# Altium PCB higgs.PcbDoc (part 12 of 25)
Units mm, origin at the board's own origin, x right, y up, seen from the top; angles counter-clockwise.
Board outline 160 x 160 mm, 15 copper layers (TOP, P1(GND), S1(V), P2(GND), S2(H), P3(GND), S3(V12/V2V5), S4(VDDR), P4(GND), S5(V), P5(GND), S6(H), P6(GND), P1(GND) (Plane1), BOT), stack 3.262 mm thick; 1283 components, 2419 nets, 11066 pads, 5487 vias.
Unrouted connection lines stored in the file: 239.
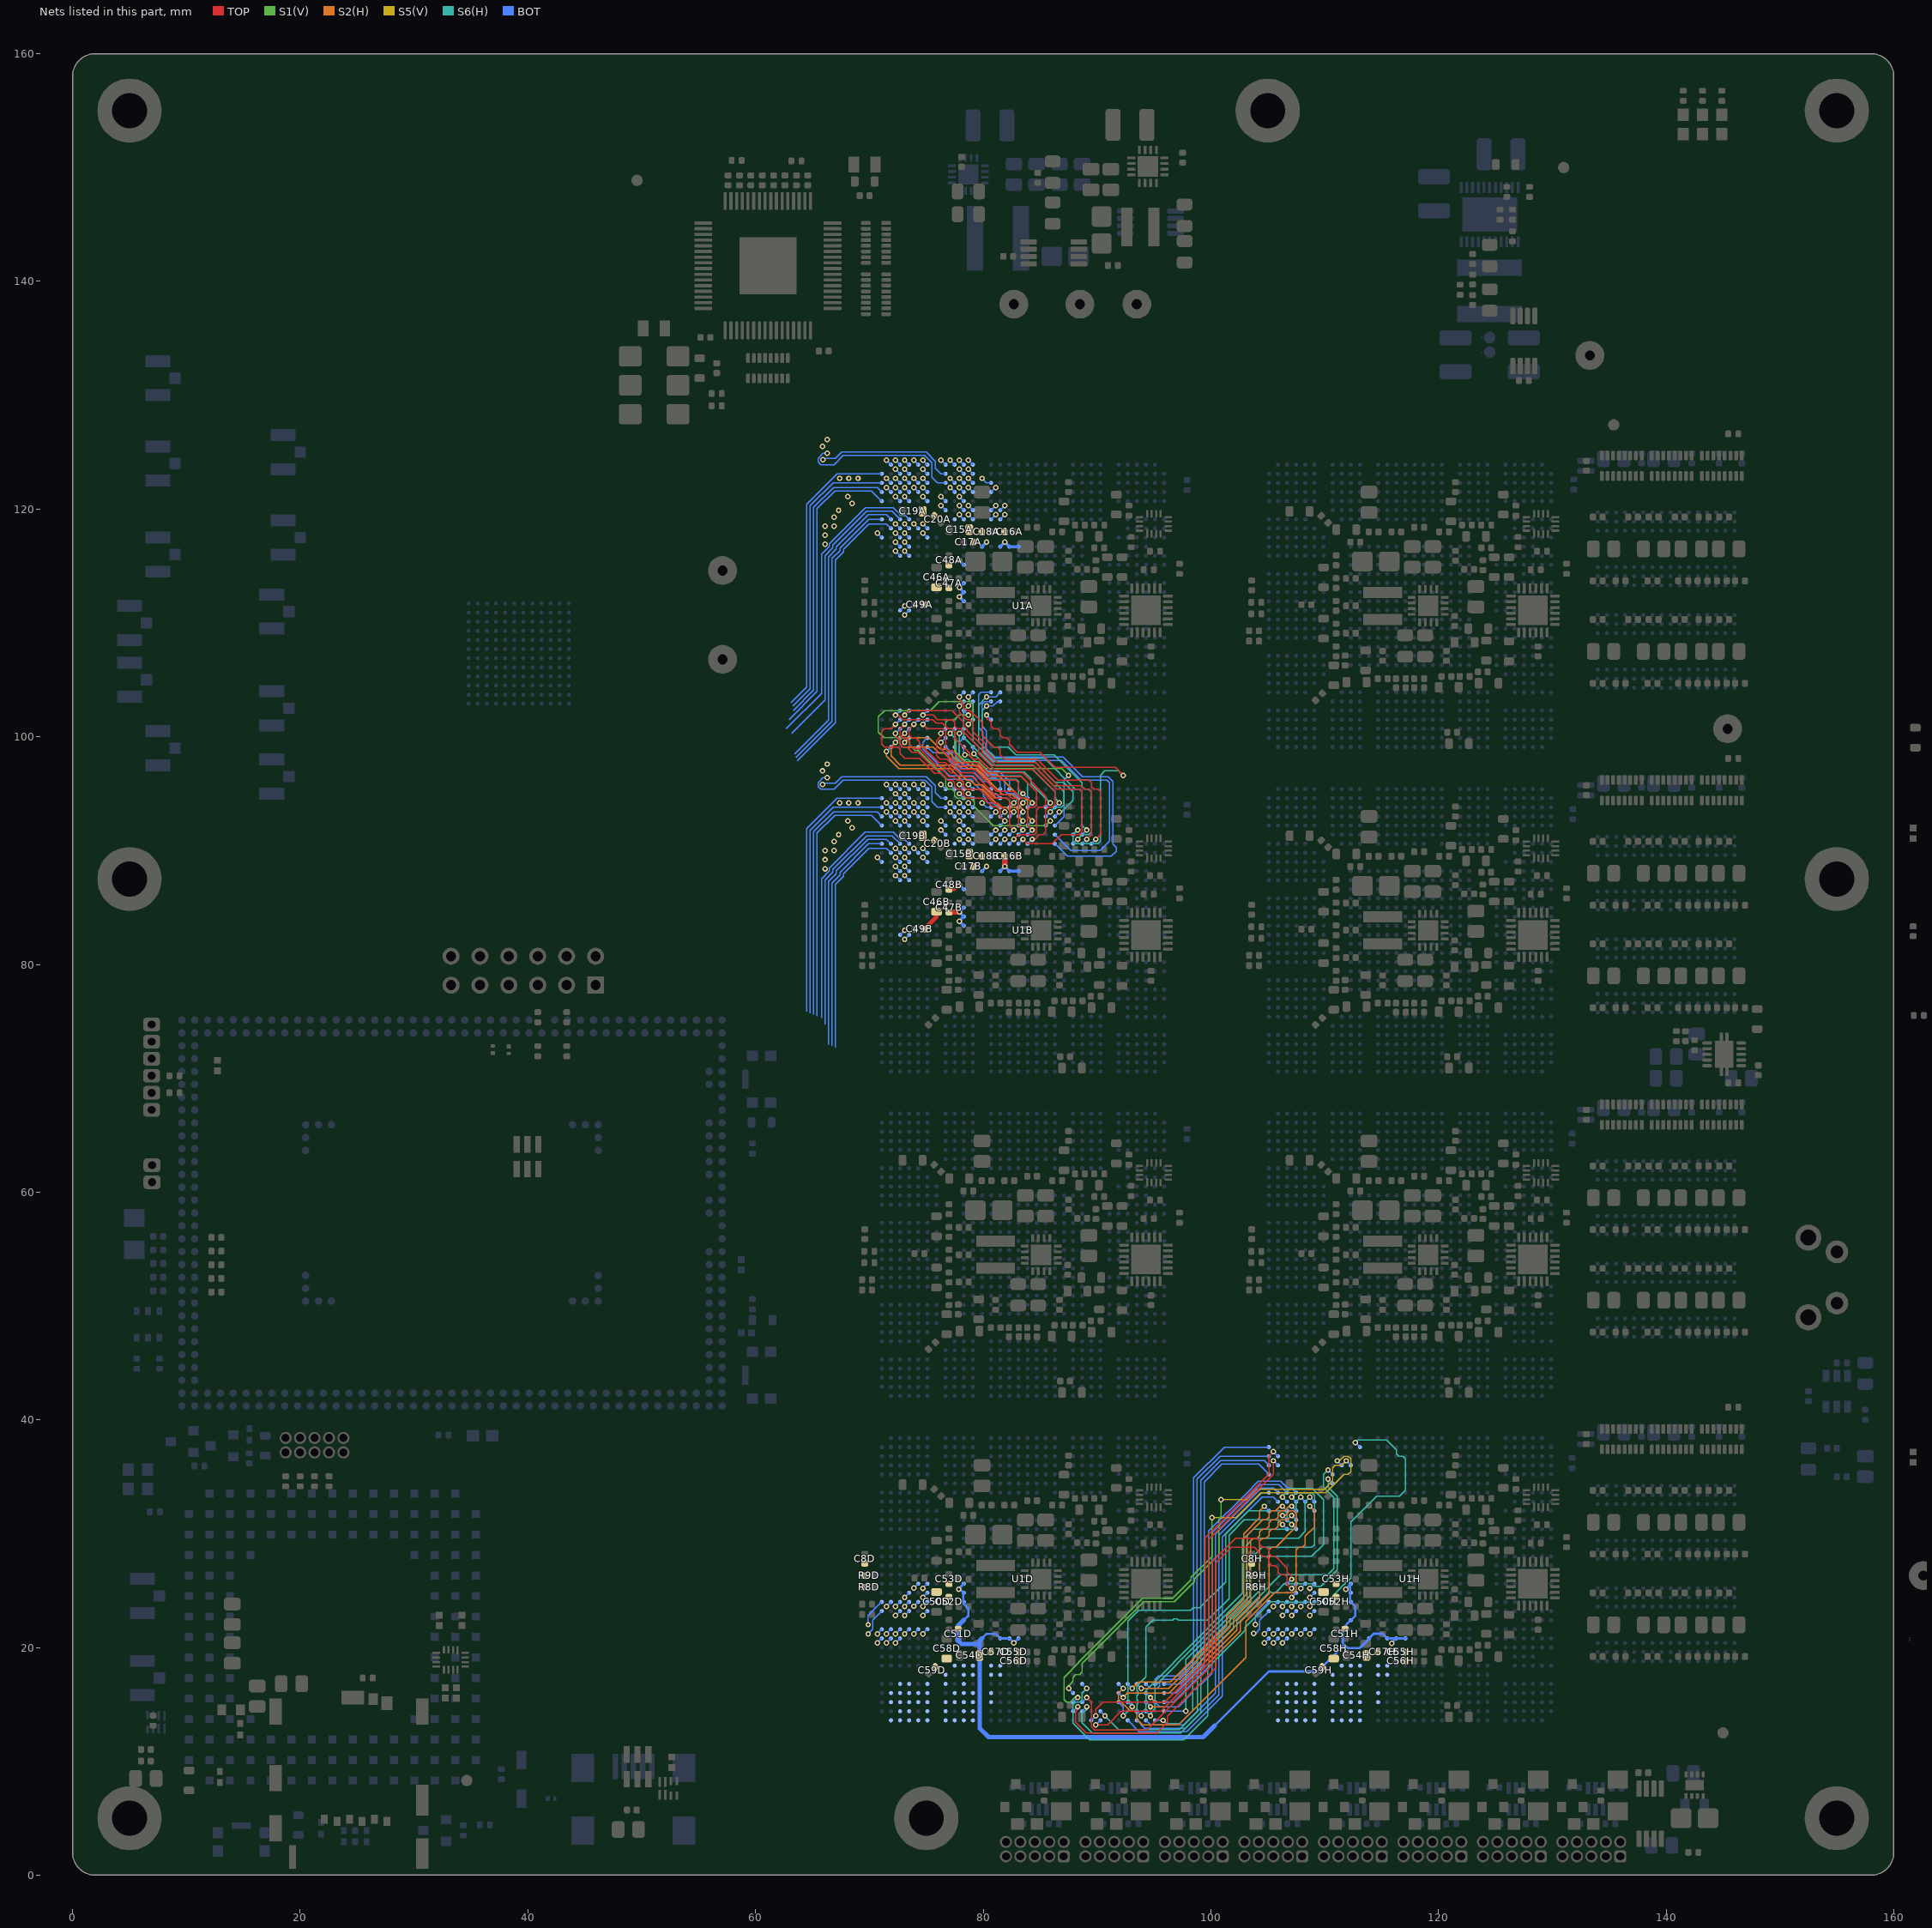
[diagram p25: the nets of this part, all layers, seen from the top]

## Via types
v1: diameter 0.483, hole 0.254, TOP to BOT, tented both sides, 5146 vias
v2: diameter 0.457, hole 0.254, TOP to BOT, tented both sides, 278 vias
v3: diameter 0.5, hole 0.25, TOP to BOT, 50 vias
v4: diameter 0.483/0/0/0/0.483/0/0/0.483 (per signal layer), hole 0.254, TOP to BOT, tented both sides, 7 vias
v5: diameter 0.483, hole 0.254, TOP to BOT, tented bottom, 5 vias
v6: diameter 0.483, hole 0.254, TOP to BOT, 1 vias

## Nets (pads, with @x,y where several pads share a name; then routed paths per layer and width w, separated by ;. In a path a pad name is that pad's centre, name@x,y a point inside that pad or via, vN(x,y) a via of type N, cw(c..) or ccw(c..) an arc to the next point about the centre after c; other vN are vias at no path point) (continued)
IL07_33.LR.G3.D2_P: U1D.AC28 U1H.L2 | length 57.5
  S6(H) w0.102: v1(89.106,16.401) 89.101,16.401 88.7,16 88.7,15.4 88.499,15.199 88.135,15.199 87.901,14.965 87.901,13.342 89.356,11.887 97.611,11.887 99.73,14.006 99.73,18.205 103.013,21.488 103.013,21.763 105.251,24.001 106.375,24.001 ; 106.375,23.999 106.465,23.999 106.514,23.95 106.886,23.95 106.935,23.999 110.199,23.999 111.451,25.251 111.451,25.29 111.685,25.524 111.724,25.524 112.3,26.1 112.3,31.036 114.559,33.294 116.559,33.294 117.099,33.835 117.099,33.899 117.1,33.9 ; v1(112.7,38) 112.91,38.21 115.454,38.21 116.299,37.365 116.299,37.036 116.536,36.799 116.865,36.799 117.099,36.565 117.099,33.901
  BOT w0.102: U1D.AC28@88.7,16.8 89.099,16.401 v1(89.106,16.401) ; v1(112.7,38) U1H.L2@113.1,37.6
IL07_33.LR.G3.D3_N: U1D.AB29 U1H.K4 | length 38.1
  S1(V) w0.102: v1(87.506,16.401) 87.506,16.629 87.5,16.636 87.899,17.035 87.899,17.364 88.135,17.599 88.298,17.599 88.3,17.601 88.465,17.601 88.699,17.835 88.699,17.999 88.701,18.001 88.701,18.596 94.109,24.005 96.774,24.005 98.576,25.807 98.576,26.031 100.695,28.15 100.695,31.295 100.9,31.5 v1(100.9,33)
  S5(V) w0.102: v1(100.9,33) 103.196,33 104.1,33.904 109.968,33.904 110.701,34.636 110.701,35.765 110.935,35.999 111.499,35.999 v1(111.9,36.4)
  BOT w0.102: v1(87.506,16.401) 87.506,16.394 U1D.AB29@87.9,16 ; v1(111.9,36.4) U1H.K4@112.3,36
IL07_33.LR.G3.D3_P: U1D.AB30 U1H.J4 | length 42
  S1(V) w0.102: v1(88.3,15.6) 88.064,15.6 87.665,15.201 87.335,15.201 87.099,15.436 87.099,16.229 87.105,16.235 87.105,16.566 87.099,16.572 87.099,17.364 88.396,18.661 88.396,18.723 93.983,24.31 96.648,24.31 98.271,25.933 98.271,26.158 100.1,27.986 v1(100.1,31.4)
  S5(V) w0.102: v1(100.1,31.4) 102.201,31.4 104.4,33.599 110.095,33.599 111.696,35.201 112.065,35.201 112.299,35.435 112.299,35.765 112.299,36.565 112.064,36.8 111.695,36.8 111.295,36.4 v1(111.1,36.4)
  BOT w0.102: U1D.AB30@87.9,15.2 v1(88.3,15.6) ; v1(111.1,36.4) U1H.J4@111.5,36
IL07_33.LR.G3.D4_N: U1D.AE31 U1H.H5 | length 39.5
  S6(H) w0.102: v1(90.7,14) 91.899,12.801 97.232,12.801 98.816,14.384 98.816,19.067 105.101,25.353 105.101,25.365 106.136,26.401 110.276,26.401 110.795,26.92 110.795,33.173 109.901,34.067 109.901,35.201 v1(110.3,35.6)
  BOT w0.102: U1D.AE31@90.3,14.4 v1(90.7,14) ; v1(110.3,35.6) U1H.H5@110.7,35.2
IL07_33.LR.G3.D4_P: U1D.AC31 U1H.H6 | length 42.7
  S6(H) w0.102: v1(89.1,14.8) 89.1,14.564 88.701,14.165 88.701,13.404 89.608,12.496 97.358,12.496 99.12,14.258 99.12,18.845 105.205,24.93 105.335,24.801 105.665,24.801 105.899,25.035 105.899,25.049 106.45,25.6 108.873,25.6 109.098,25.375 109.681,25.375 111.1,26.794 111.1,33.299 110.3,34.099 v1(110.3,34.8)
  BOT w0.102: U1D.AC31@88.7,14.4 v1(89.1,14.8) ; v1(110.3,34.8) U1H.H6@110.7,34.4
IL07_33.LR.G3.S_N: U1D.AB31 U1H.D17 | length 36.7
  TOP w0.102: v1(88.3,14.8) 88.3,14.541 88.115,14.356 88.115,13.444 89.059,12.5 89.605,12.5 89.659,12.445 95.21,12.445 96.199,13.435 96.199,13.968 100.4,18.169 100.4,27.4 101.8,28.8 103.829,28.8 104.301,28.328 104.301,28.235 104.535,28.001 104.864,28.001 105.101,27.764 105.101,27.435 105.335,27.201 105.664,27.201 105.901,26.964 105.901,26.635 106.135,26.401 106.499,26.401 106.7,26.2 106.7,25.55 v1@107.05,25.2
  BOT w0.102: U1D.AB31@87.9,14.4 v1(88.3,14.8) ; v1(107.1,25.2) U1H.D17@107.5,25.6
IL07_33.LR.G3.S_P: U1D.AC30 U1H.C17 | length 36.1
  TOP w0.102: v1(89.1,15.6) 89.499,15.201 89.499,13.036 89.786,12.75 94.386,12.75 100.095,18.46 100.095,27.526 102.168,29.599 104.065,29.599 104.301,29.364 104.301,29.035 104.536,28.799 104.865,28.799 105.101,28.564 105.101,28.235 105.336,27.999 105.665,27.999 106.701,26.964 106.701,26.635 107.1,26.236 v1(107.1,26)
  BOT w0.102: U1D.AC30@88.7,15.2 v1(89.1,15.6) ; U1H.C17@106.7,25.6 v1(107.1,26)
IL07_33.TB.G8.D0_N: U1D.AG29 U1H.D9 | length 27.1
  S2(H) w0.102: v1(92.3,15.6) 92.699,15.999 96.323,15.999 101.981,21.657 101.981,22.481 103.501,24.001 103.501,29.365 103.735,29.599 104.064,29.599 104.301,29.836 104.301,30.165 104.535,30.399 104.864,30.399 105.099,30.635 105.099,30.964 105.335,31.199 105.599,31.199 105.601,31.201 105.665,31.201 105.9,31.436 105.9,31.764 106.135,31.999 106.464,31.999 106.864,32.4 v1(107.1,32.4)
  BOT w0.102: U1D.AG29@91.9,16 v1(92.3,15.6) ; v1(107.1,32.4) U1H.D9@107.5,32
IL07_33.TB.G8.D0_P: U1D.AG28 U1H.F9 | length 34.2
  S2(H) w0.102: v1(92.3,16.4) 91.901,16.001 91.901,15.435 92.936,14.399 93.265,14.399 93.501,14.164 93.501,13.699 93.999,13.201 97.165,13.201 103.082,19.118 103.082,22.289 105.592,24.799 107.264,24.799 107.499,25.035 107.499,26.635 107.501,26.636 107.501,28.565 107.735,28.799 108.064,28.799 108.301,29.036 108.301,29.774 109.099,30.573 109.099,32.001 v1(108.7,32.4)
  BOT w0.102: U1D.AG28@91.9,16.8 v1(92.3,16.4) ; v1(108.7,32.4) U1H.F9@109.1,32
IL07_33.TB.G8.D1_N: U1D.AH28 U1H.A9 | length 23.6
  S2(H) w0.102: v1(93.1,16.4) 93.69,16.99 96.452,16.99 101.371,21.909 101.371,22.733 102.891,24.253 102.891,29.987 104.3,31.395 104.3,32 v1(104.7,32.4)
  BOT w0.102: U1D.AH28@92.7,16.8 v1(93.1,16.4) ; v1(104.7,32.4) U1H.A9@105.1,32
IL07_33.TB.G8.D1_P: U1D.AJ28 U1H.C9 | length 24.2
  S2(H) w0.102: v1(93.9,16.4) 96.293,16.4 101.676,21.783 101.676,22.607 103.196,24.127 103.196,29.861 104.535,31.199 104.864,31.199 105.099,31.435 105.099,31.764 105.335,31.999 105.581,31.999 ; 105.582,32 105.664,32 106.064,32.4 v1(106.3,32.4)
  BOT w0.102: U1D.AJ28@93.5,16.8 v1(93.9,16.4) ; v1(106.3,32.4) U1H.C9@106.7,32
IL07_33.TB.G8.D2_N: U1D.AG30 U1H.C11 | length 30.5
  S6(H) w0.102: v1(92.3,14) 92.701,14.401 93.265,14.401 93.499,14.635 93.499,14.964 93.595,15.06 93.595,15.34 93.501,15.435 93.501,15.765 93.625,15.889 93.625,16.111 93.501,16.235 93.501,16.565 93.625,16.689 93.625,16.75 94.3,17.425 94.3,21.8 94.9,22.4 96.636,22.4 96.735,22.499 97.065,22.499 97.164,22.4 99.7,22.4 101.6,24.3 101.6,29.864 102.936,31.2 105.9,31.2 v1(106.3,30.8)
  BOT w0.102: U1D.AG30@91.9,15.2 92.3,14.8 v1(92.3,14) ; v1(106.3,30.8) U1H.C11@106.7,30.4
IL07_33.TB.G8.D2_P: U1D.AH30 U1H.D11 | length 30.6
  S6(H) w0.102: v1(93.1,14.8) 93.1,15.036 92.701,15.435 92.701,22.326 93.657,23.282 98.231,23.282 98.449,23.5 99.025,23.5 ; 99.075,23.5 99.025,23.5 ; 104.699,31.999 103.304,31.999 101.295,29.991 101.295,25.77 99.025,23.5 ; 104.7,32 106.464,32 106.699,31.765 106.699,31.201 v1(107.1,30.8)
  BOT w0.102: U1D.AH30@92.7,15.2 v1(93.1,14.8) ; v1(107.1,30.8) U1H.D11@107.5,30.4
IL07_33.TB.G8.D3_N: U1D.AK30 U1H.C10 | length 25.8
  S2(H) w0.102: v1(94.7,14.8) 95.986,14.8 102.59,21.404 102.59,22.228 105.101,24.739 105.101,28.565 105.335,28.799 105.704,28.799 107.499,30.595 107.499,30.799 ; v1(106.3,31.6) 106.536,31.6 106.935,31.999 107.265,31.999 107.5,31.764 107.5,30.8
  BOT w0.102: U1D.AK30@94.3,15.2 v1(94.7,14.8) ; v1(106.3,31.6) U1H.C10@106.7,31.2
IL07_33.TB.G8.D3_P: U1D.AK29 U1H.D10 | length 24.3
  S2(H) w0.102: v1(94.7,15.6) 95.099,15.201 95.956,15.201 102.286,21.53 102.286,22.355 104.301,24.37 104.301,29.365 104.535,29.599 104.864,29.599 105.099,29.835 105.099,29.899 105.101,29.901 105.101,30.165 105.335,30.399 105.664,30.399 105.899,30.635 105.899,30.799 105.901,30.801 105.901,30.965 106.135,31.199 106.701,31.199 107.1,31.598 v1(107.1,31.6)
  BOT w0.102: U1D.AK29@94.3,16 v1(94.7,15.6) ; v1(107.1,31.6) U1H.D10@107.5,31.2
IL07_33.TB.G13.C_N: U1D.AE32 U1H.B4 | length 33.4
  TOP w0.102: v1(89.9,13.2) 90.936,13.2 92.135,14.399 92.199,14.399 92.2,14.4 95.605,14.4 99.79,18.586 99.79,29.49 105.5,35.2 v1(105.5,36.4)
  BOT w0.102: v1(89.9,13.2) U1D.AE32@90.3,13.6 ; v1(105.5,36.4) U1H.B4@105.9,36
IL07_33.TB.G13.C_P: U1D.AD32 U1H.B3 | length 34
  TOP w0.102: v1(89.9,14) 89.9,14.564 90.535,15.199 95.973,15.199 99.486,18.712 99.486,29.617 105.101,35.232 105.101,36.801 v1(105.5,37.2)
  BOT w0.102: U1D.AD32@89.5,13.6 v1(89.9,14) ; v1(105.5,37.2) U1H.B3@105.9,36.8
IL07_33.TB.G13.D0_N: U1D.AK28 U1H.A3 | length 29
  BOT w0.102: U1D.AK28@94.3,16.8 94.7,16.4 95.266,16.4 95.5,16.634 95.5,17 95.7,17.2 97.276,17.2 98.805,18.729 98.805,34.791 100.814,36.8 U1H.A3@105.1,36.8
IL07_33.TB.G13.D0_P: U1D.AL28 U1H.A2 | length 28.3
  BOT w0.102: U1D.AL28@95.1,16.8 95.1,17.2 95.405,17.505 97.149,17.505 98.5,18.855 98.5,34.917 101.183,37.6 U1H.A2@105.1,37.6
IL07_33.TB.G13.D1_N: U1D.AM29 U1H.A5 | length 27.3
  BOT w0.102: U1D.AM29@95.9,16 96.938,16 99.414,18.477 99.414,34.539 100.976,36.1 104.2,36.1 U1H.A5@105.1,35.2
IL07_33.TB.G13.D1_P: U1D.AM28 U1H.A4 | length 26.9
  BOT w0.102: U1D.AM28@95.9,16.8 97.307,16.8 99.11,18.603 99.11,34.665 100.85,36.405 104.695,36.405 U1H.A4@105.1,36
IL07_33.TB.G13.D2_N: U1D.AL30 U1H.C7 | length 27.5
  BOT w0.102: U1D.AL30@95.1,15.2 95.5,14.8 95.9,14.8 97.162,14.8 98.301,15.939 98.301,16.04 98.535,16.274 98.636,16.274 98.826,16.464 98.826,16.565 99.06,16.799 99.161,16.799 100.105,17.743 100.105,30.093 103.23,33.218 104.316,34.305 105.995,34.305 U1H.C7@106.7,33.6
IL07_33.TB.G13.D2_P: U1D.AM30 U1H.D7 | length 27
  BOT w0.102: U1D.AM30@95.9,15.2 96.7,15.2 99.8,18.3 99.8,30.22 103.103,33.523 104.19,34.609 106.122,34.609 106.731,34 107.1,34 U1H.D7@107.5,33.6
IL07_33.TB.G13.D3_N: U1D.AJ32 U1H.A7 | length 28.7
  BOT w0.102: U1D.AJ32@93.5,13.6 94.205,12.895 97.757,12.895 100.714,15.852 100.714,29.841 103.482,32.609 104.473,33.6 U1H.A7@105.1,33.6
IL07_33.TB.G13.D3_P: U1D.AK32 U1H.B7 | length 28.7
  BOT w0.102: U1D.AK32@94.3,13.6 94.7,13.2 97.631,13.2 100.41,15.979 100.41,29.967 103.356,32.914 104.442,34 105.5,34 U1H.B7@105.9,33.6
IL07_33.TB.G13.D4_N: U1D.AJ31 U1H.E8 | length 28.3
  S6(H) w0.102: v1@93.95,13.85 93.95,14.286 94.299,14.635 94.299,16.235 96.699,18.635 96.699,18.675 102.799,24.775 102.799,29.464 103.735,30.399 103.799,30.399 ; 103.8,30.4 106.3,30.4 ; 106.301,30.401 107.265,30.401 107.499,30.635 107.499,30.799 107.501,30.801 107.501,32.801 v1(107.9,33.2)
  BOT w0.102: U1D.AJ31@93.5,14.4 v1(93.9,14) ; v1(107.9,33.2) U1H.E8@108.3,32.8
IL07_33.TB.G13.D4_P: U1D.AK31 U1H.F8 | length 28.5
  S6(H) w0.102: v1(94.7,14) 94.7,14.236 95.099,14.635 95.099,15.725 ; 95.101,15.725 95.101,16.605 97.05,18.555 97.05,18.595 103.104,24.649 103.104,28.968 103.735,29.599 107.699,29.599 108.301,30.201 108.301,32.801 v1(108.7,33.2)
  BOT w0.102: U1D.AK31@94.3,14.4 v1(94.7,14) ; v1(108.7,33.2) U1H.F8@109.1,32.8
IL07_33.TB.G13.D5_N: U1D.AL32 U1H.C8 | length 34.7
  S6(H) w0.102: v1(95.8,13.6) 96.099,13.301 97.265,13.301 98.4,14.436 98.4,19.083 104.3,24.983 104.3,27.65 ; 104.301,27.65 104.301,27.765 104.535,27.999 108.864,27.999 109.9,29.036 109.9,32.2 ; v1(106.3,33.2) 106.3,33.3 106.982,33.982 108.914,33.982 109.899,32.996 109.899,32.201
  BOT w0.102: U1D.AL32@95.1,13.6 v1(95.8,13.6) ; v1(106.3,33.2) U1H.C8@106.7,32.8
IL07_33.TB.G13.D5_P: U1D.AM31 U1H.D8 | length 30.9
  S6(H) w0.102: v1(97.8,14.4) 97.8,18.914 103.409,24.523 103.409,27.709 104.5,28.8 108.864,28.8 109.1,29.036 109.1,33.364 108.865,33.599 107.801,33.599 107.8,33.6 107.5,33.6 v1(107.1,33.2)
  BOT w0.102: U1D.AM31@95.9,14.4 v1(97.8,14.4) ; v1(107.1,33.2) U1H.D8@107.5,32.8
IL07_33.TB.G13.D6: U1D.AH32 U1H.B8 | length 30.5
  BOT w0.102: U1D.AH32@92.7,13.6 93.71,12.59 97.884,12.59 101.019,15.726 101.019,29.715 103.608,32.304 104.505,33.2 105.5,33.2 U1H.B8@105.9,32.8
IL07_FPGA20.LR.G0.D0_N: U1A.D5 | length 0.6
  BOT w0.102: v1(73.1,121.1) U1A.D5@73.5,120.7
IL07_FPGA20.LR.G0.D0_P: U1A.C5 | length 0.6
  BOT w0.102: v1(72.3,121.1) U1A.C5@72.7,120.7
IL07_FPGA20.LR.G0.D1_N: U1A.C3 | length 0.6
  BOT w0.102: v1(72.3,122.7) U1A.C3@72.7,122.3
IL07_FPGA20.LR.G0.D1_P: U1A.C4 | length 0.6
  BOT w0.102: v1(72.3,121.9) U1A.C4@72.7,121.5
IL07_FPGA20.LR.G0.D2_N: U1A.E4 | length 0.6
  BOT w0.102: v1(73.9,121.9) U1A.E4@74.3,121.5
IL07_FPGA20.LR.G0.D2_P: U1A.D4 | length 0.6
  BOT w0.102: v1(73.1,121.9) U1A.D4@73.5,121.5
IL07_FPGA20.LR.G0.D3_N: U1A.F5 | length 0.6
  BOT w0.102: v1(74.7,121.1) U1A.F5@75.1,120.7
IL07_FPGA20.LR.G0.D3_P: U1A.F4 | length 0.6
  BOT w0.102: v1(74.7,121.9) U1A.F4@75.1,121.5
IL07_FPGA20.LR.G0.D4_N: U1A.D2 | length 0.6
  BOT w0.102: v1(73.1,123.5) U1A.D2@73.5,123.1
  other v1: 67.4,122.7
IL07_FPGA20.LR.G0.D4_P: U1A.D3 | length 0.6
  BOT w0.102: v1(73.1,122.7) U1A.D3@73.5,122.3
IL07_FPGA20.LR.G0.S_N: U1A.C2 | length 0.6
  BOT w0.102: v1(72.3,123.5) U1A.C2@72.7,123.1
IL07_FPGA20.LR.G0.S_P: U1A.B1 | length 0.6
  BOT w0.102: v1(71.5,124.3) U1A.B1@71.9,123.9
IL07_FPGA20.LR.G1.D0_N: U1A.E1 | length 0.6
  BOT w0.102: v1(73.9,124.3) U1A.E1@74.3,123.9
IL07_FPGA20.LR.G1.D0_P: U1A.F2 | length 0.6
  BOT w0.102: v1(74.7,123.5) U1A.F2@75.1,123.1
IL07_FPGA20.LR.G1.D1_N: U1A.H1 | length 0.6
  BOT w0.102: v1(76.3,124.3) U1A.H1@76.7,123.9
IL07_FPGA20.LR.G1.D1_P: U1A.F1 | length 0.6
  BOT w0.102: v1(74.7,124.3) U1A.F1@75.1,123.9
IL07_FPGA20.LR.G1.D2_N: U1A.H3 | length 14.7
  BOT w0.102: v1(66.3,124.9) 65.936,124.9 65.501,124.465 65.501,124.135 65.735,123.901 66.901,123.901 67.699,124.699 74.865,124.699 74.932,124.632 ; 74.933,124.632 75.5,124.066 75.5,122.8 76,122.3 U1A.H3@76.7,122.3
IL07_FPGA20.LR.G1.D2_P: U1A.H2 | length 12.1
  BOT w0.102: v1@65.933,124.433 67.002,124.433 67.573,125.004 74.993,125.004 75.805,124.192 75.805,123.6 76.305,123.1 U1A.H2@76.7,123.1
  other v1: 65.925,124.325
IL07_FPGA20.LR.G1.D3_N: U1A.K3 | length 0.6
  BOT w0.102: v1(77.9,122.7) U1A.K3@78.3,122.3
  other v1: 66.1,117.7
IL07_FPGA20.LR.G1.D3_P: U1A.J3 | length 0.6
  BOT w0.102: v1(77.1,122.7) U1A.J3@77.5,122.3
  other v1: 66.9,119.3
IL07_FPGA20.LR.G1.D4_N: U1A.L1 | length 0.6
  BOT w0.102: v1(78.7,124.3) U1A.L1@79.1,123.9
  other v1: 66.3,126.1
IL07_FPGA20.LR.G1.D4_P: U1A.K1 | length 0.6
  BOT w0.102: v1(77.9,124.3) U1A.K1@78.3,123.9
  other v1: 65.9,125.5
IL07_FPGA20.LR.G1.S_N: U1A.J1 | length 0.6
  BOT w0.102: v1(77.1,124.3) U1A.J1@77.5,123.9
  other v1: 68.2,122.7
IL07_FPGA20.LR.G1.S_P: U1A.K2 | length 0.6
  BOT w0.102: v1(77.9,123.5) U1A.K2@78.3,123.1
  other v1: 69,122.7
IL07_FPGA20.LR.G2.D0_N: U1A.K7 | length 0.6
  BOT w0.102: v1(77.9,119.5) U1A.K7@78.3,119.1
IL07_FPGA20.LR.G2.D0_P: U1A.K6 | length 0.6
  BOT w0.102: v1(77.9,120.3) U1A.K6@78.3,119.9
IL07_FPGA20.LR.G2.D1_N: U1A.L4 | length 0.6
  BOT w0.102: v1(78.7,121.9) U1A.L4@79.1,121.5
IL07_FPGA20.LR.G2.D1_P: U1A.K5 | length 0.6
  BOT w0.102: v1(77.9,121.1) U1A.K5@78.3,120.7
IL07_FPGA20.LR.G2.D2_N: U1A.N7 | length 0.6
  BOT w0.102: U1A.N7@80.7,119.1 v1(81.1,119.5)
IL07_FPGA20.LR.G2.D2_P: U1A.N6 | length 0.6
  BOT w0.102: U1A.N6@80.7,119.9 v1(81.1,120.3)
IL07_FPGA20.LR.G2.D3_N: U1A.P7 | length 0.6
  BOT w0.102: U1A.P7@81.5,119.1 v1(81.9,119.5)
IL07_FPGA20.LR.G2.D3_P: U1A.P6 | length 0.6
  BOT w0.102: U1A.P6@81.5,119.9 v1(81.9,120.3)
IL07_FPGA20.LR.G2.D4_N: U1A.L6 | length 0.6
  BOT w0.102: v1(78.7,120.3) U1A.L6@79.1,119.9
IL07_FPGA20.LR.G2.D4_P: U1A.L7 | length 0.6
  BOT w0.102: v1(78.7,119.5) U1A.L7@79.1,119.1
IL07_FPGA20.LR.G2.S_N: U1A.N4 | length 0.6
  BOT w0.102: U1A.N4@80.7,121.5 v1(81.1,121.9)
IL07_FPGA20.LR.G2.S_P: U1A.N3 | length 1
  BOT w0.102: v1(79.9,122.7) 80.3,122.3 U1A.N3@80.7,122.3
IL07_FPGA20.LR.G3.D0_N: U1A.E3 | length 0.6
  BOT w0.102: v1(73.9,122.7) U1A.E3@74.3,122.3
  other v1: 68.099,121.1
IL07_FPGA20.LR.G3.D0_P: U1A.F3 | length 0.6
  BOT w0.102: v1(74.7,122.7) U1A.F3@75.1,122.3
  other v1: 68.5,120.5
IL07_FPGA20.LR.G3.D1_N: U1A.D1 | length 0.6
  BOT w0.102: v1(73.1,124.3) U1A.D1@73.5,123.9
  other v1: 67.3,119.9
IL07_FPGA20.LR.G3.D1_P: U1A.C1 | length 0.6
  BOT w0.102: v1(72.3,124.3) U1A.C1@72.7,123.9
  other v1: 66.1,118.5
IL07_FPGA20.LR.G3.D2_N: U1A.L3 | length 0.6
  BOT w0.102: v1(78.7,122.7) U1A.L3@79.1,122.3
IL07_FPGA20.LR.G3.D2_P: U1A.L2 | length 0.6
  BOT w0.102: v1(78.7,123.5) U1A.L2@79.1,123.1
IL07_FPGA20.LR.G3.D3_N: U1A.K4 | length 0.6
  BOT w0.102: v1(77.9,121.9) U1A.K4@78.3,121.5
  other v1: 66.9,118.5
IL07_FPGA20.LR.G3.D3_P: U1A.J4 | length 0.6
  BOT w0.102: v1(77.1,121.9) U1A.J4@77.5,121.5
  other v1: 66.1,116.9
IL07_FPGA20.LR.G3.D4_N: U1A.H5 | length 0.6
  BOT w0.102: v1(76.3,121.1) U1A.H5@76.7,120.7
IL07_FPGA20.LR.G3.D4_P: U1A.H6 | length 0.6
  BOT w0.102: v1(76.3,120.3) U1A.H6@76.7,119.9
IL07_FPGA20.LR.G3.S_N: U1A.D17 | length 0.6
  BOT w0.102: v1(73.1,110.7) U1A.D17@73.5,111.1
IL07_FPGA20.LR.G3.S_P: U1A.C17 | length 0.6
  BOT w0.102: U1A.C17@72.7,111.1 v1(73.1,111.5)
IL07_FPGA20.LR.VTT: C19A.2 C20A.2 U1A.J7
IL07_FPGA20.TB.G8.D0_N: U1A.D9 | length 0.6
  BOT w0.102: v1(73.1,117.9) U1A.D9@73.5,117.5
IL07_FPGA20.TB.G8.D0_P: U1A.F9 | length 0.6
  BOT w0.102: v1(74.7,117.9) U1A.F9@75.1,117.5
IL07_FPGA20.TB.G8.D1_N: U1A.A9 | length 0.6
  BOT w0.102: v1(70.7,117.9) U1A.A9@71.1,117.5
IL07_FPGA20.TB.G8.D1_P: U1A.C9 | length 0.6
  BOT w0.102: v1(72.3,117.9) U1A.C9@72.7,117.5
IL07_FPGA20.TB.G8.D2_N: U1A.C11 | length 0.6
  BOT w0.102: v1(72.3,116.3) U1A.C11@72.7,115.9
IL07_FPGA20.TB.G8.D2_P: U1A.D11 | length 0.6
  BOT w0.102: v1(73.1,116.3) U1A.D11@73.5,115.9
IL07_FPGA20.TB.G8.D3_N: U1A.C10 | length 0.6
  BOT w0.102: v1(72.3,117.1) U1A.C10@72.7,116.7
IL07_FPGA20.TB.G8.D3_P: U1A.D10 | length 0.6
  BOT w0.102: v1(73.1,117.1) U1A.D10@73.5,116.7
IL07_FPGA20.TB.G13.C_N: U1A.B4 | length 0.6
  BOT w0.102: v1(71.5,121.9) U1A.B4@71.9,121.5
IL07_FPGA20.TB.G13.C_P: U1A.B3 | length 0.6
  BOT w0.102: v1(71.5,122.7) U1A.B3@71.9,122.3
IL07_FPGA20.TB.G13.D0_N: U1A.A3 | length 25.4
  BOT w0.102: 63.276,102.7 64.805,104.229 64.805,120.291 66.814,122.3 U1A.A3@71.1,122.3
IL07_FPGA20.TB.G13.D0_P: U1A.A2 | length 25.7
  BOT w0.102: 63.149,103.005 64.5,104.355 64.5,120.417 67.183,123.1 U1A.A2@71.1,123.1
IL07_FPGA20.TB.G13.D1_N: U1A.A5 | length 26.3
  BOT w0.102: 62.938,101.5 65.414,103.977 65.414,120.039 66.976,121.6 70.2,121.6 U1A.A5@71.1,120.7
IL07_FPGA20.TB.G13.D1_P: U1A.A4 | length 25.5
  BOT w0.102: 63.307,102.3 65.11,104.103 65.11,120.165 66.85,121.905 70.695,121.905 U1A.A4@71.1,121.5
IL07_FPGA20.TB.G13.D2_N: U1A.C7 | length 25.5
  BOT w0.102: 63.162,100.3 66.105,103.243 66.105,115.909 66.804,116.608 66.804,116.822 69.786,119.805 71.995,119.805 U1A.C7@72.7,119.1
IL07_FPGA20.TB.G13.D2_P: U1A.D7 | length 26.6
  BOT w0.102: 62.7,100.7 65.8,103.8 65.8,116.036 66.499,116.735 66.499,116.948 69.66,120.109 72.122,120.109 72.731,119.5 73.1,119.5 U1A.D7@73.5,119.1
IL07_FPGA20.TB.G13.D3_N: U1A.A7 | length 24.7
  BOT w0.102: 63.553,98.19 66.714,101.352 66.714,115.657 67.413,116.356 67.413,116.57 69.944,119.1 U1A.A7@71.1,119.1
IL07_FPGA20.TB.G13.D3_P: U1A.B7 | length 25.8
  BOT w0.102: 63.426,98.495 66.41,101.479 66.41,115.783 67.109,116.482 67.109,116.696 69.913,119.5 71.5,119.5 U1A.B7@71.9,119.1
IL07_FPGA20.TB.G13.D4_N: U1A.E8 | length 0.6
  BOT w0.102: v1(73.9,118.7) U1A.E8@74.3,118.3
IL07_FPGA20.TB.G13.D4_P: U1A.F8 | length 0.6
  BOT w0.102: v1(74.7,118.7) U1A.F8@75.1,118.3
IL07_FPGA20.TB.G13.D5_N: U1A.C8 | length 0.6
  BOT w0.102: v1(72.3,118.7) U1A.C8@72.7,118.3
IL07_FPGA20.TB.G13.D5_P: U1A.D8 | length 0.6
  BOT w0.102: v1(73.1,118.7) U1A.D8@73.5,118.3
IL07_FPGA20.TB.G13.D6: U1A.B8 | length 25.5
  BOT w0.102: 63.679,97.886 67.019,101.226 67.019,115.531 67.718,116.23 67.718,116.443 69.975,118.7 71.5,118.7 U1A.B8@71.9,118.3
IL07_FPGA20.VIOLR: C15A.2 C16A.2 C17A.2 C18A.2 U1A.M10 U1A.P10 U1A.R10 U1A.T10 | length 2.5
  BOT w0.254: U1A.M10@79.9,116.7 v1(80.3,117.1) ; U1A.P10@81.5,116.7 v1(81.9,117.1) U1A.R10@82.3,116.7 U1A.T10@83.1,116.7
IL07_FPGA20.VIOTB: C46A.2 C47A.2 C48A.2 C49A.2 U1A.K12 U1A.K14 U1A.K15 U1A.K16 | length 2.8
  BOT w0.254: v1(77.9,115.5) U1A.K12@78.3,115.1 ; U1A.K16@78.3,111.9 v1(77.9,112.3) U1A.K15@78.3,112.7 v1(77.9,113.1) U1A.K14@78.3,113.5
IL07_FPGA21.LR.G0.D0_N: U1B.D5 | length 0.6
  BOT w0.102: v1(73.1,92.6) U1B.D5@73.5,92.2
IL07_FPGA21.LR.G0.D0_P: U1B.C5 | length 0.6
  BOT w0.102: v1(72.3,92.6) U1B.C5@72.7,92.2
IL07_FPGA21.LR.G0.D1_N: U1B.C3 | length 0.6
  BOT w0.102: v1(72.3,94.2) U1B.C3@72.7,93.8
IL07_FPGA21.LR.G0.D1_P: U1B.C4 | length 0.6
  BOT w0.102: v1(72.3,93.4) U1B.C4@72.7,93
IL07_FPGA21.LR.G0.D2_N: U1B.E4 | length 0.6
  BOT w0.102: v1(73.9,93.4) U1B.E4@74.3,93
IL07_FPGA21.LR.G0.D2_P: U1B.D4 | length 0.6
  BOT w0.102: v1(73.1,93.4) U1B.D4@73.5,93
IL07_FPGA21.LR.G0.D3_N: U1B.F5 | length 0.6
  BOT w0.102: v1(74.7,92.6) U1B.F5@75.1,92.2
IL07_FPGA21.LR.G0.D3_P: U1B.F4 | length 0.6
  BOT w0.102: v1(74.7,93.4) U1B.F4@75.1,93
IL07_FPGA21.LR.G0.D4_N: U1B.D2 | length 0.6
  BOT w0.102: v1(73.1,95) U1B.D2@73.5,94.6
  other v1: 67.4,94.2
IL07_FPGA21.LR.G0.D4_P: U1B.D3 | length 0.6